# Altium PCB V1Copy of 2 Layers.PcbDoc (part 1 of 2)
Units mm, origin at the board's own origin, x right, y up, seen from the top; angles counter-clockwise.
Board outline 88.4 x 35.06 mm, 4 copper layers (Top Layer 1, Signal 1, Signal 2, Bottom Layer 1), stack 1.782 mm thick; 91 components, 63 nets, 397 pads, 122 vias.
Unrouted connection lines stored in the file: 17.
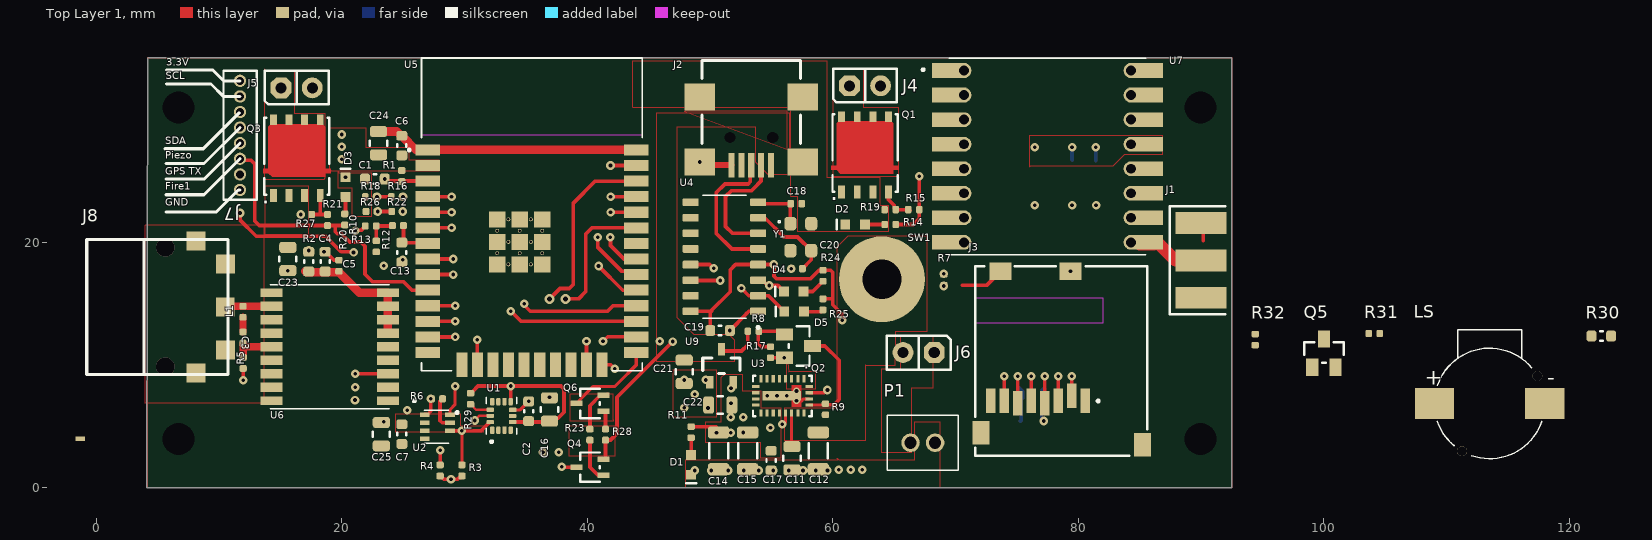
[diagram p0: Top Layer 1 view]
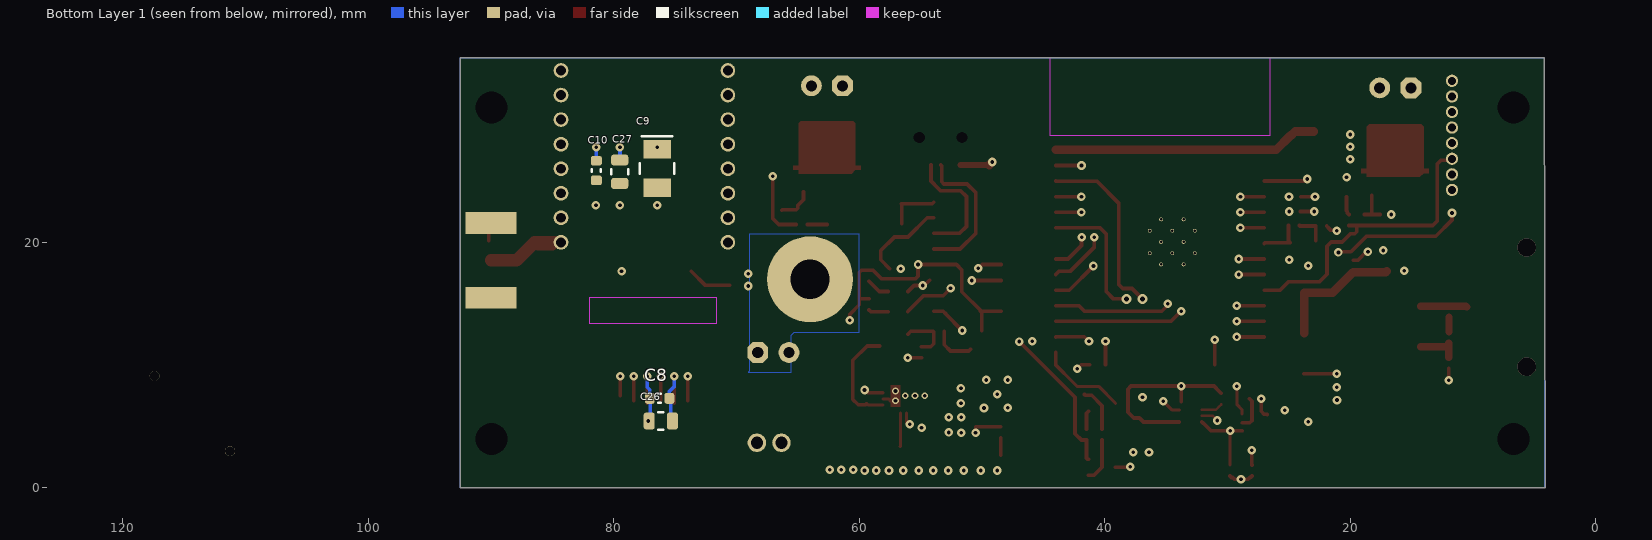
[diagram p1: Bottom Layer 1 view, seen from below]
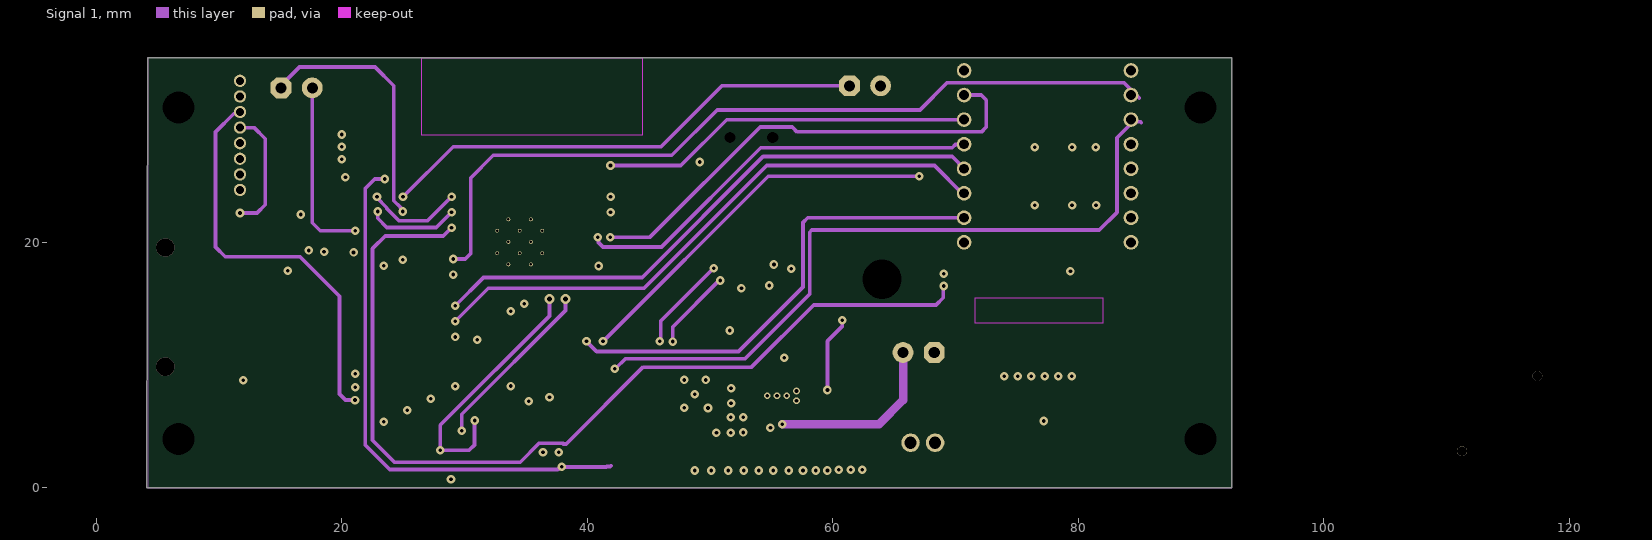
[diagram p2: Signal 1]
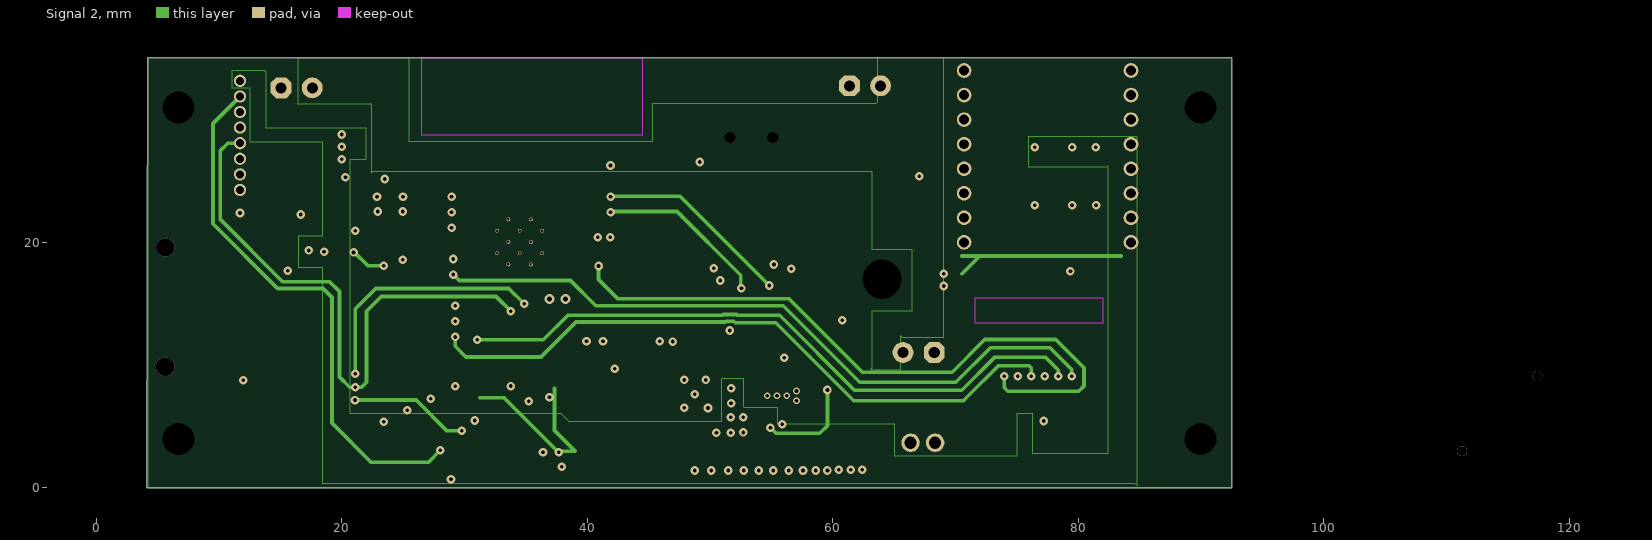
[diagram p3: Signal 2]

## Layer stack, top to bottom
Top Solder: solder mask 0.01, Solder Resist, Dk 3.5
Top Layer 1: signal copper 0.035
Dielectric 1: prepreg 0.0711, PP-006, Dk 4.1
Signal 1: signal copper 0.035
Dielectric1: core 1.5, FR-4, Dk 4.8
Signal 2: signal copper 0.035
Dielectric 2: prepreg 0.0711, PP-006, Dk 4.1
Bottom Layer 1: signal copper 0.035
Bottom Solder: solder mask 0.01, Solder Resist, Dk 3.5

## Board outline
4.101,0 92.5,0 92.5,35.062 4.18,35.062

## Design rules (kind name [scope] priority, off if disabled: settings)
AcuteAngle [All] p1: minimum=9.00000000000000E+0001 checktracksonly=TRUE
BoardOutlineClearance BoardOutlineClearance_Overlay [OnLayer('Top Overlay','Bottom Overlay')] p1: gap=0.2 ignorepadtopadclearanceinfootprint=FALSE
BoardOutlineClearance [All] p2: gap=0.5 ignorepadtopadclearanceinfootprint=FALSE
Clearance "Net to Polygon 0.5mm" [InNet('your net here') vs (IsRegion)] p1: gap=0.5 ignorepadtopadclearanceinfootprint=FALSE
Clearance Clearance_1 [(InNet('VBat') AND InNet('NetJ6_1')) vs OnLayer('Multi-Layer')] p2: gap=0 ignorepadtopadclearanceinfootprint=TRUE
Clearance "Poly 0.3mm" [(IsRegion)] p3: gap=0.3 ignorepadtopadclearanceinfootprint=FALSE
Clearance [All] p4: gap=0.25 ignorepadtopadclearanceinfootprint=TRUE except(0.2: SMDPad-SMDPad)
ComponentClearance ComponentClearance_ignore [InComponent('SW1')] p1: gap=0 collisioncheckmode=3 verticalgap=0 showdistances=FALSE
ComponentClearance [All] p2: gap=0.2 collisioncheckmode=3 verticalgap=0.2 showdistances=FALSE
DiffPairsRouting [All] p1: maxlimit=0.254 minlimit=0.25 mostfreqgap=0.254 toplayer_maxgap=0.25 toplayer_prefgap=0.25 toplayer_minwidth=0.25 toplayer_maxwidth=0.25 toplayer_prefwidth=0.25 midlayer1_mingap=0.254 midlayer1_minwidth=0.381 midlayer1_maxwidth=0.381 midlayer1_prefwidth=0.381 midlayer2_mingap=0.254 midlayer2_minwidth=0.381 midlayer2_maxwidth=0.381 midlayer2_prefwidth=0.381 bottomlayer_maxgap=0.25 bottomlayer_prefgap=0.25 bottomlayer_minwidth=0.25 bottomlayer_maxwidth=0.25 bottomlayer_prefwidth=0.25 maxuncoupledlength=12.7
FabricationTestPointUsage TestPointUsage [All] p1: valid=0 allowmultiple=FALSE
FabricationTestpoint Testpoint [All] p1: side=3 testpointundercomponent=TRUE minsize=1.016 maxsize=2.54 preferedsize=1.524 minholesize=0 maxholesize=1.016 preferedholesize=0.813 testpointgrid=0.025 allowsidetop=TRUE allowsidebottom=TRUE usegrid=TRUE gridtolerance=0
HoleSize [All] p1: absolutevalues=TRUE maxlimit=6 minlimit=0.25 maxpercent=80.000 minpercent=20.000
HoleToHoleClearance [All] p1: gap=0.3 allowstackedmicrovias=FALSE
MinimumAnnularRing [All] p1: minimumring=0.15
MinimumSolderMaskSliver [All] p1: minsoldermaskwidth=0.15
NetsToIgnore [InNet('VBat', 'NetJ6_1')] p1:
PasteMaskExpansion PasteMaskExpansion_DNP [IsPad AND HasCompParameterValue('Populated','DNP')] p1: expansion=-5
PasteMaskExpansion [All] p2: expansion=0
PlaneClearance PlaneClearance_pads [IsPad] p1: clearance=0.3
PlaneClearance PlaneClearance_drill [IsObjectKind('Hole')] p2: clearance=0.4
PlaneConnect PlaneConnect_full [IsVia] p1: planeconnectstyle=Direct reliefexpansion=0.5 reliefentries=4 reliefconductorwidth=0.3 reliefairgap=0.3
PlaneConnect [All] p2: planeconnectstyle=Relief reliefexpansion=0.3 reliefentries=4 reliefconductorwidth=0.25 reliefairgap=0.25
PolygonConnect PolygonConnect_0.7 [IsNamedPolygon('0.7mm') vs (InPadClass('All Pads'))] p1: connectstyle=Relief reliefconductorwidth=0.7 reliefentries=4 polygonreliefangle="90 Angle" airgapwidth=0.25
PolygonConnect PolygonConnect_0.5 [IsNamedPolygon('0.5mm') vs (InPadClass('All Pads'))] p2: connectstyle=Relief reliefconductorwidth=0.5 reliefentries=4 polygonreliefangle="90 Angle" airgapwidth=0.25
PolygonConnect PolygonConnect_full [All vs IsVia or IsNamedPolygon('full')] p3: connectstyle=Direct reliefconductorwidth=0 reliefentries=4 polygonreliefangle="90 Angle" airgapwidth=0.254
PolygonConnect [All] p4: connectstyle=Relief reliefconductorwidth=0.3 reliefentries=4 polygonreliefangle="90 Angle" airgapwidth=0.25
RoomDefinition PowerSupply [InComponentClass('PowerSupply')] p1 off: confinementstyle=ConfineIn formatcopy=TRUE lockcomponents=FALSE outline -327.18,-494.218 -276.38,-494.218 -276.38,-468.818 -327.18,-468.818
RoutingCorners [All] p1: cornerstyle=45-Degree minsetback=2.5 maxsetback=2.5
RoutingLayers [All] p1: top layer_v5=TRUE mid layer 1_v5=FALSE mid layer 2_v5=FALSE bottom layer_v5=TRUE
RoutingVias [All] p1: holewidth=0.4 width=0.8 viastyle="Through Hole" minholewidth=0.3 minwidth=0.7 maxholewidth=1.6 maxwidth=2.5
SMDToCorner [All] p1: distance=39370
ShortCircuit [IsNet] p1: allowed=FALSE
SilkToSilkClearance [All] p1: silktosilkclearance=0.15
SilkToSolderMaskClearance SilkscreenOverComponentPads [IsPad] p1: minsilkscreentomaskgap=0.2 clearancetoexposedcopper=TRUE
SolderMaskExpansion SolderMaskExpansion_Component_Via [IsComponentVia] p1: expansion=0.075 istentingtop=FALSE soldermaskfromhole=TRUE
SolderMaskExpansion [All] p2: expansion=0.1 istentingtop=FALSE
UnRoutedNet [All] p1: checkbadconnections=TRUE
ViasUnderSMD [All] p1: allowed=FALSE
Width [All] p1: maxlimit=7 minlimit=0.2 preferedwidth=0.3 minimp=50.000000 maximp=50.000000 favimp=50.000000
14 further rules are at their usual default settings.

## Classes and differential pairs
component class PowerSupply: C11 C12 C13 C14 C15 C17 C18 C19 C20 C21 C22 D1 D2 D3 D4 D5 J2 J4 J5 J6 LS P1 Q1 Q2 Q3 Q4 Q5 Q6 R8 R9 R10 R11 R12 R13 R14 R15 R16 R17 R18 R19 R20 R21 R22 R23 R24 R25 R26 R27 R28 R30 R31 R32 SW1 U3 U4 U9 Y1

## Components (designator, comment, footprint, x,y, rotation, side; value= is the part's Value field where it differs from the comment)
C1 "Capacitor NP" CAP_C_0603 22.684,25.169 r0 top value=0.1uF
C2 "Capacitor NP" CAP_C_0603 35.219,6.244 r270 top value=0.1uF
C3 "Capacitor NP" CAP_C_0402 11.954,10.182 r90 top value=10000pF
C4 "Capacitor NP" CAP_C_0603 18.639,18.437 r270 top value=0.1uF
C5 "Capacitor NP" CAP_C_0402 19.756,18.1 r270 top value=10pF
C6 "Capacitor NP" CAP_C_0603 24.88,27.89 r270 top value=0.1uF
C7 "Capacitor NP" CAP_C_0603 24.887,4.384 r90 top value=0.1uF
C8 "Capacitor NP" CAP_C_0603 76.265,7.302 r0 bottom value=0.1uF
C9 "Capacitor POL" CAP_TANT_B 76.465,26.017 r270 bottom value=10uF
C10 "Capacitor NP" CAP_C_0603 81.418,25.863 r90 bottom value=0.1uF
C11 "Capacitor NP" CAP_C_0805 56.674,2.421 r90 top value=1.2uF
C12 "Capacitor NP" CAP_C_1206 58.82,3.021 r90 top value=22uF
C13 "Capacitor NP" CAP_C_0603 24.88,19.187 r90 top value=0.1uF
C14 "Capacitor NP" CAP_C_1206 50.692,3.021 r90 top value=22uF
C15 "Capacitor NP" CAP_C_1206 53.063,3.021 r90 top value=22uF
C16 "Capacitor NP" CAP_C_0805 36.915,6.394 r270 top value=2.2uF
C17 "Capacitor NP" CAP_C_0603 54.974,2.221 r90 top value=0.1uF
C18 "Capacitor NP" CAP_C_0402 57.024,23.157 r180 top value=20pF
C19 "Capacitor NP" CAP_C_0603 50.816,12.827 r180 top value=0.1uF
C20 "Capacitor NP" CAP_C_0402 57.072,17.868 r0 top value=20pF
C21 "Capacitor NP" CAP_C_0805 47.891,9.459 r90 top value=2.2uF
C22 "Capacitor NP" CAP_C_0805 50.828,6.754 r0 top value=2.2uF
C23 "Capacitor NP" CAP_C_0805 15.595,18.653 r90 top value=2.2uF
C24 "Capacitor NP" CAP_C_0805 22.984,28.09 r270 top value=2.2uF
C25 "Capacitor NP" CAP_C_0805 23.211,4.384 r90 top value=2.2uF
C26 "Capacitor NP" CAP_C_0805 76.165,5.453 r0 bottom value=2.2uF
C27 "Capacitor NP" CAP_C_0805 79.513,25.763 r90 bottom value=2.2uF
D1 "LED_red" LED_0603_RED 48.458,1.875 r270 top value=RED
D2 "LED_red" LED_0603_RED 61.816,21.463 r180 top value=RED
D3 "LED_red" LED_0603_RED 20.287,24.516 r90 top value=RED
D4 "LED_red" LED_0603_RED 56.82,16.002 r180 top value=RED
D5 "LED_red" LED_0603_RED 56.849,14.367 r180 top value=RED
J1 "CON_EDGE_SMA" CON_SMA_142-0711-821 92.5,18.543 r90 top value="RF Coaxial Female"
J2 "CON USB2.0 Mini_Micro" CON_USB-B_Mini_SMD_RA_HIR_UX60-MB-5ST 53.356,29.083 r180 top value="USB2.0 MINI-B FEMALE"
J3 "MEM2061-01-188-00-A_REVA" GCT_MEM2061-01-188-00-A_REVA 78.625,10.331 r0 top
J4 "Header 1x2" HDR_M_2.54_1x2 62.627,32.766 r0 top value="HDR-2.54 Male 1x2"
J5 "Header 1x2" HDR_M_2.54_1x2 16.317,32.596 r0 top value="HDR-2.54 Male 1x2"
J6 "Header 1x2" HDR_M_2.54_1x2 66.997,11.035 r180 top value="HDR-2.54 Male 1x2"
J7 "Header 1x8" HDR_M_1.27_1x8_V_TH_TMS-108-02-G-S 11.7,28.725 r270 top value="HDR-1.27 Male 1x8"
J8 "AP.10H GPS" AP.10H_GPS 4.965,14.737 r90 top
L1 "Inductor" IND_C_0402 11.94,14.361 r90 top value=27nH
LS "CBT-09427-SMT" CUI_CBT-09427-SMT 113.519,6.881 r0 top
P1 "PHR-2" JST_PHR-2 67.336,3.683 r0 top
Q1 "Transistor MOS-N SSSGDDDD" PDFN-8_5x6 62.627,27.286 r0 top value=BSC032N04LSATMA1
Q2 "Transistor MOS-N GSD" SOT-23-3 57.203,11.558 r270 top value=2N7002-G
Q3 "Transistor MOS-N SSSGDDDD" PDFN-8_5x6 16.329,27.02 r0 top value=BSC032N04LSATMA1
Q4 "Transistor NPN BEC" SOT-323-3 40.21,1.687 r90 top value=BC847W
Q5 "Transistor MOS-N GSD" SOT-23-3 100.019,10.981 r0 top value=2N7002-G
Q6 "Transistor NPN BEC" SOT-323-3 40.21,6.894 r90 top value=BC847W
R1 "Resistor" RES_C_0402 24.88,25.413 r270 top value=10k
R2 "Resistor" RES_C_0603 17.3,18.437 r270 top value=BLM18EG601SN1D
R3 "Resistor" RES_C_0402 29.782,1.421 r270 top value=2.2k
R4 "Resistor" RES_C_0402 28,1.421 r270 top value=2.2k
R5 "Resistor" RES_C_0402 11.94,12.25 r90 top value=10R
R6 "Resistor" RES_C_0402 27.75,7.26 r180 top value=10k
R7 "Resistor" RES_C_0402 69.053,16.95 r270 top value=10k
R8 "Resistor" RES_C_0402 53.524,12.766 r180 top value=100R
R9 "Resistor" RES_C_0402 59.399,6.407 r270 top value=33k
R10 "Resistor" RES_C_0402 22.352,21.336 r180 top value=10k
R11 "Resistor" RES_C_0402 48.458,4.542 r90 top value=2.2k
R12 "Resistor" RES_C_0402 24.568,21.378 r0 top value=1k
R13 "Resistor" RES_C_0402 22.802,19.685 r90 top value=3.3k
R14 "Resistor" RES_C_0402 64.676,21.463 r0 top value=2.2k
R15 "Resistor" RES_C_0402 66.6,22.672 r0 top value=100R
R16 "Resistor" RES_C_0402 24.48,23.716 r0 top value=100k
R17 "Resistor" RES_C_0402 54.919,11.059 r90 top value=33k
R18 "Resistor" RES_C_0402 22.359,23.716 r0 top value=62k
R19 "Resistor" RES_C_0402 64.676,22.672 r0 top value=3.3k
R20 "Resistor" RES_C_0402 20.237,21.878 r270 top value=2.2k
R21 "Resistor" RES_C_0402 18.828,21.828 r270 top value=100R
R22 "Resistor" RES_C_0402 24.516,22.524 r0 top value=100k
R23 "Resistor" RES_C_0402 40.21,4.347 r270 top value=10k
R24 "Resistor" RES_C_0402 59.198,17.287 r90 top value=2.2k
R25 "Resistor" RES_C_0402 59.198,14.952 r90 top value=2.2k
R26 "Resistor" RES_C_0402 22.415,22.524 r0 top value=62k
R27 "Resistor" RES_C_0402 17.087,22.278 r0 top value=3.3k
R28 "Resistor" RES_C_0402 41.48,4.347 r90 top value=10k
R29 "Resistor" RES_C_0402 30.487,7.26 r270 top value=10k
R30 "Resistor" RES_C_0603 122.619,12.381 r0 top value=10R
R31 "Resistor" RES_C_0402 104.119,12.581 r0 top value=100R
R32 "Resistor" RES_C_0402 94.419,12.081 r90 top value=10k
SW1 "Srew SW" Screw_SW 64.016,16.931 r0 top locked
U1 "LSM6DSO32" PQFN50P250X300X86-14N 33,5.865 r90 top
U2 "BMP280" XDCR_BMP280 27.7,4.99 r0 top
U3 "MIC33M350 QFN-24" QFN-24_3X4.5_MIC33M350 55.899,7.504 r270 top value=MIC33M350
U4 "CH340G" SOIC127P600X180-16N 51.169,18.836 r180 top
U5 "ESP32-WROOM-32" MODULE_ESP32-WROOM-32 35.487,22.283 r0 top
U6 "MAX-M8C-0-10" XCVR_MAX-M8C-0-10 19,11.5 r180 top
U7 "RFM98W-433S2" XCVR_RFM98W-433S2 77.5,27.009 r0 top
U9 "MCP170X SOT-23-3_SOT-23A-3" SOT-23A-3 50.928,9.958 r0 top value=MCP1703A/3.3V
Y1 "ABM8-12.000MHZ-B2-T3" OSCSC320X250X100N 57.393,20.436 r0 top

## Footprints (in the part's own frame and the unit in brackets; to place one, negate y for a bottom-side part, rotate by r counter-clockwise, add the part's x,y. Pads: shape width x height; smd on the part's side, far side on the other; paste and mask are expansions set on the pad)
AP.10H_GPS [mm]
  rect 1.55x1.55 smd: 1(-5.375,-3.148) 2(-3.5,-5.534) 4(3.5,-5.534) 5(5.375,-3.148)
  rect 1.55x1.5 smd: 3(0,-5.534)
  silkscreen extent -5.5,-5.75 5.5,5.75, body extent -5.44,-5.69 5.56,6.31, height 7.05
CAP_C_0402 [mm] "Chip Capacitor, 2-Leads, Body 1.0x0.5mm, IPC High Density"
  rrect50% 0.55x0.6 smd: 1(-0.45,0) 2(0.45,0)
  body extent -0.5,-0.3 0.5,0.3, height 0.2
CAP_C_0603 [mm] "Chip Capacitor, 2-Leads, Body 1.6x0.8mm, IPC Medium Density"
  rrect50% 0.8x0.9 smd: 1(-0.8,0) 2(0.8,0)
  silkscreen extent -0.1,-0.38 0.1,0.38, body extent -0.8,-0.4 0.8,0.4, height 0.65
CAP_C_0805 [mm] "Chip Capacitor, 2-Leads, Body 2.0x1.3mm, IPC Medium Density"
  rrect50% 0.9x1.4 smd: 1(-0.95,0) 2(0.95,0)
  silkscreen extent -0.2,-0.7 0.2,0.7, body extent -1,-0.62 1,0.63, height 0.78
CAP_C_1206 [mm] "Chip Capacitor, 2-Leads, Body 3.2x1.6mm, IPC Medium Density"
  rrect50% 1x1.75 smd: 1(-1.5,0) 2(1.5,0)
  silkscreen extent -0.6,-0.77 0.6,0.77, body extent -1.6,-0.8 1.6,0.8, height 1
CAP_TANT_B [mm] "Molded Capacitor, 2-Leads, Body 3.5x2.8mm, IPC Medium Density"
  rect 1.5x2.25 smd: 1(-1.575,0) 2(1.575,0)
  silkscreen extent -2.63,-1.4 0.43,1.4, body extent -1.84,-1.4 1.85,1.42, height 2.09
CON_SMA_142-0711-821 [mil] "Emerson CONN SMA JACK END LAUNCH PCB 18Ghz"
  rect 70x165 smd: 1(0,98.43) 2(-120,98.43) 2(120,98.43)
  rect 70x165 smd far side: 2(-120,98.43) 2(120,98.43)
  silkscreen extent -173,20 173,198, body extent -125,-382 125,143, height 141
CON_USB-B_Mini_SMD_RA_HIR_UX60-MB-5ST [mm] "USB Mini B Metal Shield SMT R/A Type With Positioning Post"
  rect 2.5x2.2 smd: 0(-4.2,-2.775) 0(-4.2,2.525) 0(4.2,-2.775) 0(4.2,2.525)
  rect 0.5x2 smd: 1(-1.6,2.775) 2(-0.8,2.775) 3(0,2.775) 4(0.8,2.775) 5(1.6,2.775)
  round 0 hole 0.9 unplated: MH(-1.75,0.525) MH(1.75,0.525)
  silkscreen extent -4,-5.75 4,1, body extent -4.95,-5.85 4.95,3.15, height 4.6
CUI_CBT-09427-SMT [mm]
  rect 3.2x2.5 smd: M(4.5,0) P(-4.5,0)
  round 0.8 hole 0.8 unplated: ""(-2.25,-3.897) ""(3.897,2.25)
  silkscreen extent -4.26,-4.5 4.26,6
GCT_MEM2061-01-188-00-A_REVA [mm]
  rect 0.8x2 smd: 1(1.94,-3.225) 2(0.84,-2.825) 3(-0.26,-3.225) 4(-1.36,-3.425) 5(-2.46,-3.225) 6(-3.56,-3.425) 7(-4.66,-3.225) 8(-5.76,-3.225)
  rect 1.8x1.4 smd: 9(-4.95,7.325) 10(0.75,7.325)
  rect 1.4x1.9 smd: 11(-6.55,-5.825) 12(6.6,-6.825)
  Keep-Out Layer region: 3.37,3.1 -7.011,3.1 -7.011,5.175 3.37,5.175
  silkscreen extent -7,-7.73 7,7.73
HDR_M_1.27_1x8_V_TH_TMS-108-02-G-S [mm]
  round 1 hole 0.65: 1(-4.445,0) 2(-3.175,0) 3(-1.905,0) 4(-0.635,0) 5(0.635,0) 6(1.905,0) 7(3.175,0) 8(4.445,0)
  silkscreen extent -5.26,-1.35 5.26,1.35, body extent -5.08,-1.22 5.08,1.22, height 5.08
HDR_M_2.54_1x2 [mm] "Header Male Vertical 4 Way 2.54mm Pitch"
  oct 1.7x1.7 hole 0.9: 1(-1.27,0)
  round 1.7 hole 0.9: 2(1.27,0)
  silkscreen extent -2.6,-1.35 2.6,1.4, body extent -2.54,-1.27 2.54,1.27, height 5.94
IND_C_0402 [mm]
  rrect50% 0.55x0.6 smd: 1(-0.45,0) 2(0.45,0)
  body extent -0.5,-0.3 0.5,0.3, height 0.49
JST_PHR-2 [mm]
  round 1.508 hole 1: 1(-1,0) 2(1,0)
  silkscreen extent -2.9,-2.25 2.9,2.25
LED_0603_RED [mm] "LED chip 0603"
  rect 0.8x0.8 smd: 1(-0.8,0) 2(0.8,0)
  silkscreen extent 1.5,-0.4 1.5,0.4, body extent -0.81,-0.4 0.81,0.4, height 0.6
MODULE_ESP32-WROOM-32 [mm]
  rect 2x0.9 smd: 1(-8.5,5.26) 2(-8.5,3.99) 3(-8.5,2.72) 4(-8.5,1.45) 5(-8.5,0.18) 6(-8.5,-1.09) 7(-8.5,-2.36) 8(-8.5,-3.63) 9(-8.5,-4.9) 10(-8.5,-6.17) 11(-8.5,-7.44) 12(-8.5,-8.71) 13(-8.5,-9.98) 14(-8.5,-11.25) 25(8.5,-11.25) 26(8.5,-9.98) 27(8.5,-8.71) 28(8.5,-7.44) 29(8.5,-6.17) 30(8.5,-4.9) 31(8.5,-3.63) 32(8.5,-2.36) 33(8.5,-1.09) 34(8.5,0.18) 35(8.5,1.45) 36(8.5,2.72) 37(8.5,3.99) 38(8.5,5.26)
  rect 0.9x2 smd: 15(-5.715,-12.25) 16(-4.445,-12.25) 17(-3.175,-12.25) 18(-1.905,-12.25) 19(-0.635,-12.25) 20(0.635,-12.25) 21(1.905,-12.25) 22(3.175,-12.25) 23(4.445,-12.25) 24(5.715,-12.25)
  rect 1.33x1.33 smd: 39_1(-2.835,-0.405) 39_2(-1,-0.405) 39_3(0.835,-0.405) 39_4(-2.835,-2.24) 39_5(-1,-2.24) 39_6(0.835,-2.24) 39_7(-2.835,-4.075) 39_8(-1,-4.075) 39_9(0.835,-4.075)
  round 0.3 hole 0.2: 39_10(-1.917,-0.405) 39_11(-0.082,-0.405) 39_12(-2.835,-1.322) 39_13(-1,-1.322) 39_14(0.835,-1.322) 39_15(-1.917,-2.24) 39_16(-0.082,-2.24) 39_17(-2.835,-3.157) 39_18(-1,-3.157) 39_19(0.835,-3.157) 39_20(-1.917,-4.075) 39_21(-0.082,-4.075)
  Keep-Out Layer region: 9,6.45 -9,6.45 -9,12.75 9,12.75
  Keep-Out Layer region: 9,6.45 -9,6.45 -9,12.75 9,12.75
  silkscreen extent -10.1,-12.75 9,12.75
OSCSC320X250X100N [mm]
  rrect53% 0.98x1.1 smd: 1(-0.85,1.1) 2(-0.85,-1.1) 3(0.85,-1.1) 4(0.85,1.1)
  silkscreen extent -1.84,1.16 -1.66,1.34
PDFN-8_5x6 [mm] "PDFN, 8-Leads, Body 5x6mm (max), Pitch 1.27mm, MCHP recommended land pattern"
  rect 0.56x1.06 smd: 1(-1.905,-3.175) 2(-0.635,-3.175) 3(0.635,-3.175) 4(1.905,-3.175)
  rect 0.56x0.86 smd: 5(1.905,2.975) 6(0.635,2.975) 7(-0.635,2.975) 8(-1.905,2.975)
  Top Layer 1 region: -2.13,2.6 -2.31,2.42 -2.31,-1.02 -2.75,-1.02 -2.75,-1.37 -2.31,-1.37 -2.005,-1.675 2.31,-1.675 2.31,-1.37 2.75,-1.37 2.75,-1.02 2.31,-1.02 2.31,2.42 2.13,2.6
  silkscreen extent -2.65,-3.15 2.65,3.15, body extent -2.5,-3 2.5,3, height 1
PQFN50P250X300X86-14N [mm]
  rrect50% 0.61x0.35 smd: 1(-1.16,0.75) 2(-1.16,0.25) 3(-1.16,-0.25) 4(-1.16,-0.75) 8(1.16,-0.75) 9(1.16,-0.25) 10(1.16,0.25) 11(1.16,0.75)
  rrect50% 0.35x0.61 smd: 5(-0.5,-0.91) 6(0,-0.91) 7(0.5,-0.91) 12(0.5,0.91) 13(0,0.91) 14(-0.5,0.91)
  silkscreen extent -2.2,-1.25 1.5,1.25, body extent -1.5,-1.25 1.5,1.25, height 0.86
QFN-24_3X4.5_MIC33M350 [mm]
  rect 0.6x0.25 smd mask+0.05: 1(-1.4,1.75) 2(-1.4,1.25) 3(-1.4,0.75) 4(-1.4,0.25) 5(-1.4,-0.25) 6(-1.4,-0.75) 7(-1.4,-1.25) 8(-1.4,-1.75) 13(1.4,-1.75) 14(1.4,-1.25) 15(1.4,-0.75) 16(1.4,-0.25) 17(1.4,0.25) 18(1.4,0.75) 19(1.4,1.25) 20(1.4,1.75)
  rect 0.25x0.6 smd mask+0.05: 9(-0.75,-2.175) 10(-0.25,-2.175) 11(0.25,-2.175) 12(0.75,-2.175) 21(0.75,2.175) 22(0.25,2.175) 23(-0.25,2.175) 24(-0.75,2.175)
  rect 0.8x3.14 smd mask+0.075: 25(0,-0.05)
  Top Layer 1 region: -0.875,1.525 0.875,1.525 0.875,0.775 -0.875,0.775
  silkscreen extent -1.65,-2.4 1.65,2.4, body extent -1.5,-2.25 1.5,2.25, height 1.85
RES_C_0402 [mm] "Chip Resistor, 2-Leads, Body 1.0x0.5mm, IPC Medium Density"
  rrect50% 0.55x0.6 smd: 1(-0.45,0) 2(0.45,0)
  body extent -0.5,-0.3 0.5,0.3, height 0.2
RES_C_0603 [mm] "Chip Resistor, 2-Leads, Body 1.6x0.8mm, IPC Medium Density"
  rrect50% 0.8x0.9 smd: 1(-0.8,0) 2(0.8,0)
  silkscreen extent -0.1,-0.38 0.1,0.38, body extent -0.8,-0.4 0.8,0.4, height 0.3
Screw_SW [mm]
  round 7 smd: 1(-0.016,0.069)
  round 7 smd far side: 2(-0.016,0.069)
SOIC127P600X180-16N [mm]
  rrect25% 1.31x0.62 smd: 1(-2.75,4.445) 2(-2.75,3.175) 3(-2.75,1.905) 4(-2.75,0.635) 5(-2.75,-0.635) 6(-2.75,-1.905) 7(-2.75,-3.175) 8(-2.75,-4.445) 9(2.75,-4.445) 10(2.75,-3.175) 11(2.75,-1.905) 12(2.75,-0.635) 13(2.75,0.635) 14(2.75,1.905) 15(2.75,3.175) 16(2.75,4.445)
  silkscreen extent -2.85,-5 1.78,5.85, body extent -3,-5 3,5, height 1.8
SOT-23-3 [mm]
  rect 1x1.4 smd: 1(-0.95,-1.15) 2(0.95,-1.15) 3(0,1.15)
  silkscreen extent -1.6,-0.8 1.6,0.9, body extent -1.5,-1.25 1.5,1.25, height 1.09
SOT-23A-3 [mm]
  rect 0.6x1 smd: 1(-0.95,-1.35) 2(0.95,-1.35) 3(0,1.35)
  silkscreen extent -1.52,-0.65 1.52,0.62, body extent -1.5,-1.25 1.5,1.25, height 1.09
SOT-323-3 [mm] "SC-70-3 Equivalent"
  rect 0.45x0.95 smd: 1(-0.65,-1.1) 2(0.65,-1.1) 3(0,1.1)
  silkscreen extent -1.2,-0.8 1.2,0.8, body extent -1.1,-1.12 1.1,1.12, height 1.1
XCVR_MAX-M8C-0-10 [mm]
  rect 1.8x0.7 smd paste-2 mask+0: 1(-4.75,4.4) 9(-4.75,-4.4) 10(4.75,-4.4) 18(4.75,4.4)
  rect 1.8x0.8 smd paste-2 mask+0: 2(-4.75,3.3) 3(-4.75,2.2) 4(-4.75,1.1) 5(-4.75,0) 6(-4.75,-1.1) 7(-4.75,-2.2) 8(-4.75,-3.3) 11(4.75,-3.3) 12(4.75,-2.2) 13(4.75,-1.1) 14(4.75,0) 15(4.75,1.1) 16(4.75,2.2) 17(4.75,3.3)
  silkscreen extent -7,-5.06 4.85,5.06
XCVR_RFM98W-433S2 [mm]
  rect 2.8x1.2 smd: 1(-8,7) 2(-8,5) 3(-8,3) 4(-8,1) 5(-8,-1) 6(-8,-3) 7(-8,-5) 8(-8,-7) 9(8,-7) 10(8,-5) 11(8,-3) 12(8,-1) 13(8,1) 14(8,3) 15(8,5) 16(8,7)
  round 1.2 hole 0.8: 1_1(-6.8,7) 2_1(-6.8,5) 3_1(-6.8,3) 4_1(-6.8,1) 5_1(-6.8,-1) 6_1(-6.8,-3) 7_1(-6.8,-5) 8_1(-6.8,-7) 9_1(6.8,-7) 10_1(6.8,-5) 11_1(6.8,-3) 12_1(6.8,-1) 13_1(6.8,1) 14_1(6.8,3) 15_1(6.8,5) 16_1(6.8,7)
  silkscreen extent -10.23,-8 8,8
XDCR_BMP280 [mm]
  rect 0.8x0.35 smd: 1(1.1,0.975) 2(1.1,0.325) 3(1.1,-0.325) 4(-29.018,-0.975) 5(-0.95,-0.975) 6(-0.95,-0.325) 7(-0.95,0.325) 8(-0.95,0.975)
  silkscreen extent -1,-1.35 1.8,1.35

## Part data
C1 C2 C4 C6 C7 C8 C10 C13 C17 C19: library part CAP0380, Manufacturer 1=AVX, Manufacturer Part Number 1=06033D104KAT2A, Operating Temperature="-55C to +85C", Package=0603, Supplier Part Number 1=478-1244-1-ND, Temperature Coefficient=X5R, Tolerance=10%, Voltage=25V, Category=Capacitor, ComponentLink1Description="SVN Datasheet", ComponentLink1URL=https://chn-vm-apps.microchip.com/mchprepo/parts/Datasheets/smccp.pdf, ComponentLink2Description="Local Datasheet", ComponentLink2URL=C:\ALTIUM_WORK\00001_MCHP-CDB\Datasheets\smccp.pdf, ComponentLink3Description="Open Symbol", ComponentLink3URL="C:\ALTIUM_WORK\00001_MCHP-CDB\Library\LibraryRefs\Capacitor NP.SchLib", ComponentLink4Description="Open Footprint", ComponentLink4URL=C:\ALTIUM_WORK\00001_MCHP-CDB\Library\Footprints\CAP_C_0603.PcbLib, ComponentLink5Description="Open Footprint 2", ComponentLink6Description="Open Footprint 3", ComponentLink7Description="Open Footprint 4", Description_="CAP CER 0.1uF 25V 10% X5R SMD 0603", Dev Tools Status=Production, MCHP-ID=CAP0380, Populated=Yes, Quantity Override=1, Revision=1, Status="MCL Design", Supplier 1=Digi-Key, Symbol="Capacitor NP", Type=Ceramic
C3 C5: library part CAP0278, Manufacturer 1=KEMET, Manufacturer Part Number 1=C0402C103K4RACTU, Manufacturer Part Number 2=C0402C103K4RAC, Operating Temperature="-55C to +125C", Package=0402, Supplier Part Number 1=399-1038-1-ND, Temperature Coefficient=X7R, Tolerance=10%, Voltage=16V, Category=Capacitor, ComponentLink1Description="SVN Datasheet", ComponentLink1URL=https://chn-vm-apps.microchip.com/mchprepo/parts/Datasheets/KEM_C1002_X7R_SMD.pdf, ComponentLink2Description="Local Datasheet", ComponentLink2URL=C:\ALTIUM_WORK\00001_MCHP-CDB\Datasheets\KEM_C1002_X7R_SMD.pdf, ComponentLink3Description="Open Symbol", ComponentLink3URL="C:\ALTIUM_WORK\00001_MCHP-CDB\Library\LibraryRefs\Capacitor NP.SchLib", ComponentLink4Description="Open Footprint", ComponentLink4URL=C:\ALTIUM_WORK\00001_MCHP-CDB\Library\Footprints\CAP_C_0402.PcbLib, ComponentLink5Description="Open Footprint 2", ComponentLink6Description="Open Footprint 3", ComponentLink7Description="Open Footprint 4", Description_="CAP CER 10000pF 16V 10% X7R SMD 0402", Dev Tools Status=Production, Manufacturer 2=KEMET, MCHP-ID=CAP0278, Populated=YES, Quantity Override=1, Revision=1, Status="MCL Design", Supplier 1=Digi-Key, Supplier 2=KEMET, Supplier Part Number 2=C0402C103K4RAC, Symbol="Capacitor NP", Type=Ceramic
C9: library part CAP0048, "Capacitor", Manufacturer 1=AVX, Manufacturer 2=Nemco, Manufacturer 4=Vishay, Manufacturer Part Number 1=TAJB106M016Y, Manufacturer Part Number 2=PCT10/16BKLF, Manufacturer Part Number 3=PCT10/16BMLF, Manufacturer Part Number 4=293D106X0016B2WE3, Manufacturer Part Number 5=293D106X0016B2W, Operating Temperature="-55C to +85C", Package=TANT-B, Tolerance=20%, Voltage=16V, Category=Capacitor, ComponentLink1Description="SVN Datasheet", ComponentLink1URL=https://chn-vm-apps.microchip.com/mchprepo/parts/Datasheets/293d.pdf, ComponentLink2Description="Local Datasheet", ComponentLink2URL=C:\ALTIUM_WORK\00001_MCHP-CDB\Datasheets\293d.pdf, ComponentLink3Description="Open Symbol", ComponentLink3URL="C:\ALTIUM_WORK\00001_MCHP-CDB\Library\LibraryRefs\Capacitor POL.SchLib", ComponentLink4Description="Open Footprint", ComponentLink4URL=C:\ALTIUM_WORK\00001_MCHP-CDB\Library\Footprints\CAP_TANT_B.PcbLib, ComponentLink5Description="Open Footprint 2", ComponentLink6Description="Open Footprint 3", ComponentLink7Description="Open Footprint 4", Description_="CAP TANT 10uF 16V 20% 2Ohm SMD B", Dev Tools Status=Production, ESR=2Ohm, Manufacturer 3=Nemco, Manufacturer 5=Vishay, MCHP-ID=CAP0048, Populated=Yes, Quantity Override=1, Revision=1, Status="MCL Design", Supplier 1=AVX, Supplier 2=Nemco, Supplier 3=Nemco, Supplier 4=Vishay, Supplier 5=Vishay, Supplier Part Number 1=TAJB106M016Y, Supplier Part Number 2=PCT10/16BKLF, Supplier Part Number 3=PCT10/16BMLF, Supplier Part Number 4=293D106X0016B2WE3, Supplier Part Number 5=293D106X0016B2W, Symbol="Capacitor POL", Type=Tantalum
C11: library part CAP1752, Manufacturer 1=KEMET, Manufacturer Part Number 1=C0805C125K4RACTU, Operating Temperature="-55C to +125C", Package=0805, Supplier Part Number 1=399-4927-1-ND, Temperature Coefficient=X7R, Tolerance=10%, Voltage=16V, Category=Capacitor, ComponentLink1Description="SVN Datasheet", ComponentLink1URL=https://chn-vm-apps.microchip.com/mchprepo/parts/Datasheets/KEM_C1002_X7R_SMD.pdf, ComponentLink2Description="Local Datasheet", ComponentLink2URL=C:\ALTIUM_WORK\00001_MCHP-CDB\Datasheets\KEM_C1002_X7R_SMD.pdf, ComponentLink3Description="Open Symbol", ComponentLink3URL="C:\ALTIUM_WORK\00001_MCHP-CDB\Library\LibraryRefs\Capacitor NP.SchLib", ComponentLink4Description="Open Footprint", ComponentLink4URL=C:\ALTIUM_WORK\00001_MCHP-CDB\Library\Footprints\CAP_C_0805.PcbLib, ComponentLink5Description="Open Footprint 2", ComponentLink6Description="Open Footprint 3", ComponentLink7Description="Open Footprint 4", Description_="CAP CER 1.2uF 16V 10% X7R SMD 0805", Dev Tools Status=Design, MCHP-ID=CAP1752, Owner="Alexandru Chiser - M19201", Populated=YES, Quantity Override=1, Revision=A, Status="MCL Design", Supplier 1=Digi-Key, Symbol="Capacitor NP", Type=Ceramic
C12 C14 C15: library part CAP1579, Manufacturer 1="Murata Electronics North America                                                                               Murata Electronics North America", Manufacturer Part Number 1=GRM31CR61E226KE15L, Operating Temperature="-55°C to +85°C", Package=1206, Supplier Part Number 1=490-5527-1-ND, Tolerance=10%, Voltage=25V, Category=Capacitor, ComponentLink1Description="SVN Datasheet", ComponentLink1URL=https://chn-vm-apps.microchip.com/mchprepo/parts/Datasheets/c02e.pdf, ComponentLink2Description="Local Datasheet", ComponentLink2URL=C:\ALTIUM_WORK\00001_MCHP-CDB\Datasheets\c02e.pdf, ComponentLink3Description="Open Symbol", ComponentLink3URL="C:\ALTIUM_WORK\00001_MCHP-CDB\Library\LibraryRefs\Capacitor NP.SchLib", ComponentLink4Description="Open Footprint", ComponentLink4URL=C:\ALTIUM_WORK\00001_MCHP-CDB\Library\Footprints\CAP_C_1206.PcbLib, ComponentLink5Description="Open Footprint 2", ComponentLink6Description="Open Footprint 3", ComponentLink7Description="Open Footprint 4", Description_="CAP CER 22uF 25V 10% X5R SMD 1206", Dev Tools Status=Production, MCHP-ID=CAP1579, Owner="Jose Garcia", Populated=YES, Quantity Override=1, Revision=2, Status="MCL Design", Supplier 1=Digi-Key, Symbol="Capacitor NP", Type=Ceramic
C16 C21 C22 C23 C24 C25 C26 C27: library part CAP1017, "Capacitor", Manufacturer 1=TDK, Manufacturer Part Number 1=C2012X5R1H225K, Operating Temperature="-55C to +85C", Package=0805, Supplier Part Number 1=445-5976-1-ND, Temperature Coeffcient=X5R, Tolerance=10%, Voltage=50V, Category=Capacitor, ComponentLink1Description="SVN Datasheet", ComponentLink1URL=https://chn-vm-apps.microchip.com/mchprepo/parts/Datasheets/general_B11.pdf, ComponentLink2Description="Local Datasheet", ComponentLink2URL=C:\ALTIUM_WORK\00001_MCHP-CDB\Datasheets\general_B11.pdf, ComponentLink3Description="Open Symbol", ComponentLink3URL="C:\ALTIUM_WORK\00001_MCHP-CDB\Library\LibraryRefs\Capacitor NP.SchLib", ComponentLink4Description="Open Footprint", ComponentLink4URL=C:\ALTIUM_WORK\00001_MCHP-CDB\Library\Footprints\CAP_C_0805.PcbLib, ComponentLink5Description="Open Footprint 2", ComponentLink6Description="Open Footprint 3", ComponentLink7Description="Open Footprint 4", Description_="CAP CER 2.2uF 50V 10% X5R SMD 0805", Dev Tools Status=Production, MCHP-ID=CAP1017, Owner="Brent Lanphear", Populated=Yes, Quantity Override=1, Revision=2, Status="MCL Design", Supplier 1=Digi-Key, Symbol="Capacitor NP", Type=Ceramic
C18 C20: library part CAP2438, Manufacturer 1="Samsung Electro-Mechanics", Manufacturer Part Number 1=CL05C200GB51PNC, Operating Temperature="-55C to +125C", Package=0402, Supplier Part Number 1=1276-CL05C200GB51PNCTR-ND, Temperature Coefficient=C0G, Tolerance=2%, Voltage=50V, Category=Capacitor, ComponentLink1Description="SVN Datasheet", ComponentLink2Description="Local Datasheet", ComponentLink3Description="Open Symbol", ComponentLink3URL="C:\ALTIUM_WORK\00001_MCHP-CDB\Library\LibraryRefs\Capacitor NP.SchLib", ComponentLink4Description="Open Footprint", ComponentLink4URL=C:\ALTIUM_WORK\00001_MCHP-CDB\Library\Footprints\CAP_C_0402.PcbLib, ComponentLink5Description="Open Footprint 2", ComponentLink6Description="Open Footprint 3", ComponentLink7Description="Open Footprint 4", Description_="Ceramic capacitor, SMD 0402, 20pF, C0G, 50V, +/-2%", Dev Tools Status=Production, MCHP-ID=CAP2438, Owner="Dragos Danaila", Populated=YES, Quantity Override=1, Revision=1, Status="MCL Design", Supplier 1=Digikey, Symbol="Capacitor NP", Type=Ceramic
D1 D2 D3 D4 D5: library part DIODE1066, "LED", Forward Current=20mA, Manufacturer 1=Lumex, Manufacturer Part Number 1=SML-LX0603SRW-TR, Operating Temperature="-40C to +85C", Package=0603, Reverse Current=100uA, Reverse Voltage=5V, Supplier Part Number 1=67-1551-1-ND, Category=Diode, ComponentLink1Description="SVN Datasheet", ComponentLink1URL=https://chn-vm-apps.microchip.com/mchprepo/parts/Datasheets/SML-LX0603SRW-TR.pdf, ComponentLink2Description="Local Datasheet", ComponentLink2URL=C:\ALTIUM_WORK\00001_MCHP-CDB\Datasheets\SML-LX0603SRW-TR.pdf, ComponentLink3Description="Open Symbol", ComponentLink3URL=C:\ALTIUM_WORK\00001_MCHP-CDB\Library\LibraryRefs\LED_red.SchLib, ComponentLink4Description="Open Footprint", ComponentLink4URL=C:\ALTIUM_WORK\00001_MCHP-CDB\Library\Footprints\LED_0603_RED.PcbLib, ComponentLink5Description="Open Footprint 2", ComponentLink6Description="Open Footprint 3", ComponentLink7Description="Open Footprint 4", Description_="DIO LED RED 1.7V 20mA 15mcd Diffuse SMD 0603", Dev Tools Status=Production, MCHP-ID=DIODE1066, Owner="Tad Ahlvers", Populated=YES, Quantity Override=1, Revision=1, Status="MCL Design", Supplier 1=Digi-Key, Symbol=LED_red, Type="LED Single"
J1: library part CON1322, Manufacturer 1="Cinch Connectivity Solutions Johnson", Manufacturer Part Number 1=142-0711-821, Supplier Part Number 1=J629-ND, Category=Connector, ComponentLink1Description="SVN Datasheet", ComponentLink1URL=https://chn-vm-apps.microchip.com/mchprepo/parts/Datasheets/pi-142-0711-821.pdf, ComponentLink2Description="Local Datasheet", ComponentLink2URL=C:\ALTIUM_WORK\00001_MCHP-CDB\Datasheets\pi-142-0711-821.pdf, ComponentLink3Description="Open Symbol", ComponentLink3URL=C:\ALTIUM_WORK\00001_MCHP-CDB\Library\LibraryRefs\CON_EDGE_SMA.SchLib, ComponentLink4Description="Open Footprint", ComponentLink4URL=C:\ALTIUM_WORK\00001_MCHP-CDB\Library\Footprints\CON_SMA_142-0711-821.PcbLib, ComponentLink5Description="Open Footprint 2", ComponentLink6Description="Open Footprint 3", ComponentLink7Description="Open Footprint 4", Description_="CON RF Coaxial SMA Female 2P EDGE MNT", Dev Tools Status=Production, MCHP-ID=CON1322, Owner="Duane Burt", Populated=YES, Quantity Override=1, Revision=A, Status="MCL Design", Supplier 1=Digi-Key, Symbol=CON_EDGE_SMA, Type=RF
J2: library part CON0276, Manufacturer 1="Wurth Electronics Inc", Manufacturer 2=Hirose, Manufacturer 3=Oupiin, Manufacturer 4="Dongguan Yang Ming Precision Plastic Hardware Electronics Co., Ltd. (ShenZhen YangMing)", Manufacturer Part Number 1=651305142821, Manufacturer Part Number 2=UX60-MB-5ST, Manufacturer Part Number 3=8969-B05C00DBU, Manufacturer Part Number 4=YM-02-04-A-36, Supplier Part Number 1=732-3154-1-ND, Category=Connector, ComponentLink1Description="SVN Datasheet", ComponentLink1URL=https://chn-vm-apps.microchip.com/mchprepo/parts/Datasheets/e24000019.pdf, ComponentLink2Description="Local Datasheet", ComponentLink2URL=C:\ALTIUM_WORK\00001_MCHP-CDB\Datasheets\e24000019.pdf, ComponentLink3Description="Open Symbol", ComponentLink3URL="C:\ALTIUM_WORK\00001_MCHP-CDB\Library\LibraryRefs\CON USB2.0 Mini_Micro.SchLib", ComponentLink4Description="Open Footprint", ComponentLink4URL=C:\ALTIUM_WORK\00001_MCHP-CDB\Library\Footprints\CON_USB-B_Mini_SMD_RA_HIR_UX60-MB-5ST.PcbLib, ComponentLink5Description="Open Footprint 2", ComponentLink6Description="Open Footprint 3", ComponentLink7Description="Open Footprint 4", Description_="CON USB2.0 MINI-B FEMALE SMD R/A", Dev Tools Status=Production, MCHP-ID=CON0276, Populated=YES, Quantity Override=1, Revision=2, Status="MCL Design", Supplier 1=Digi-Key, Supplier 2=Digi-Key, Supplier 3=Digi-Key, Supplier 4=Oupiin, Supplier 5=Raynen, Supplier Part Number 2=H2959CT-ND, Supplier Part Number 3=H2959TR-ND, Supplier Part Number 4=8969-B05C00DBU, Supplier Part Number 5=PLUG00033B01M, Symbol="CON USB2.0 Mini_Micro", Type=USB